# KiCad board EPS.kicad_pcb (continued)
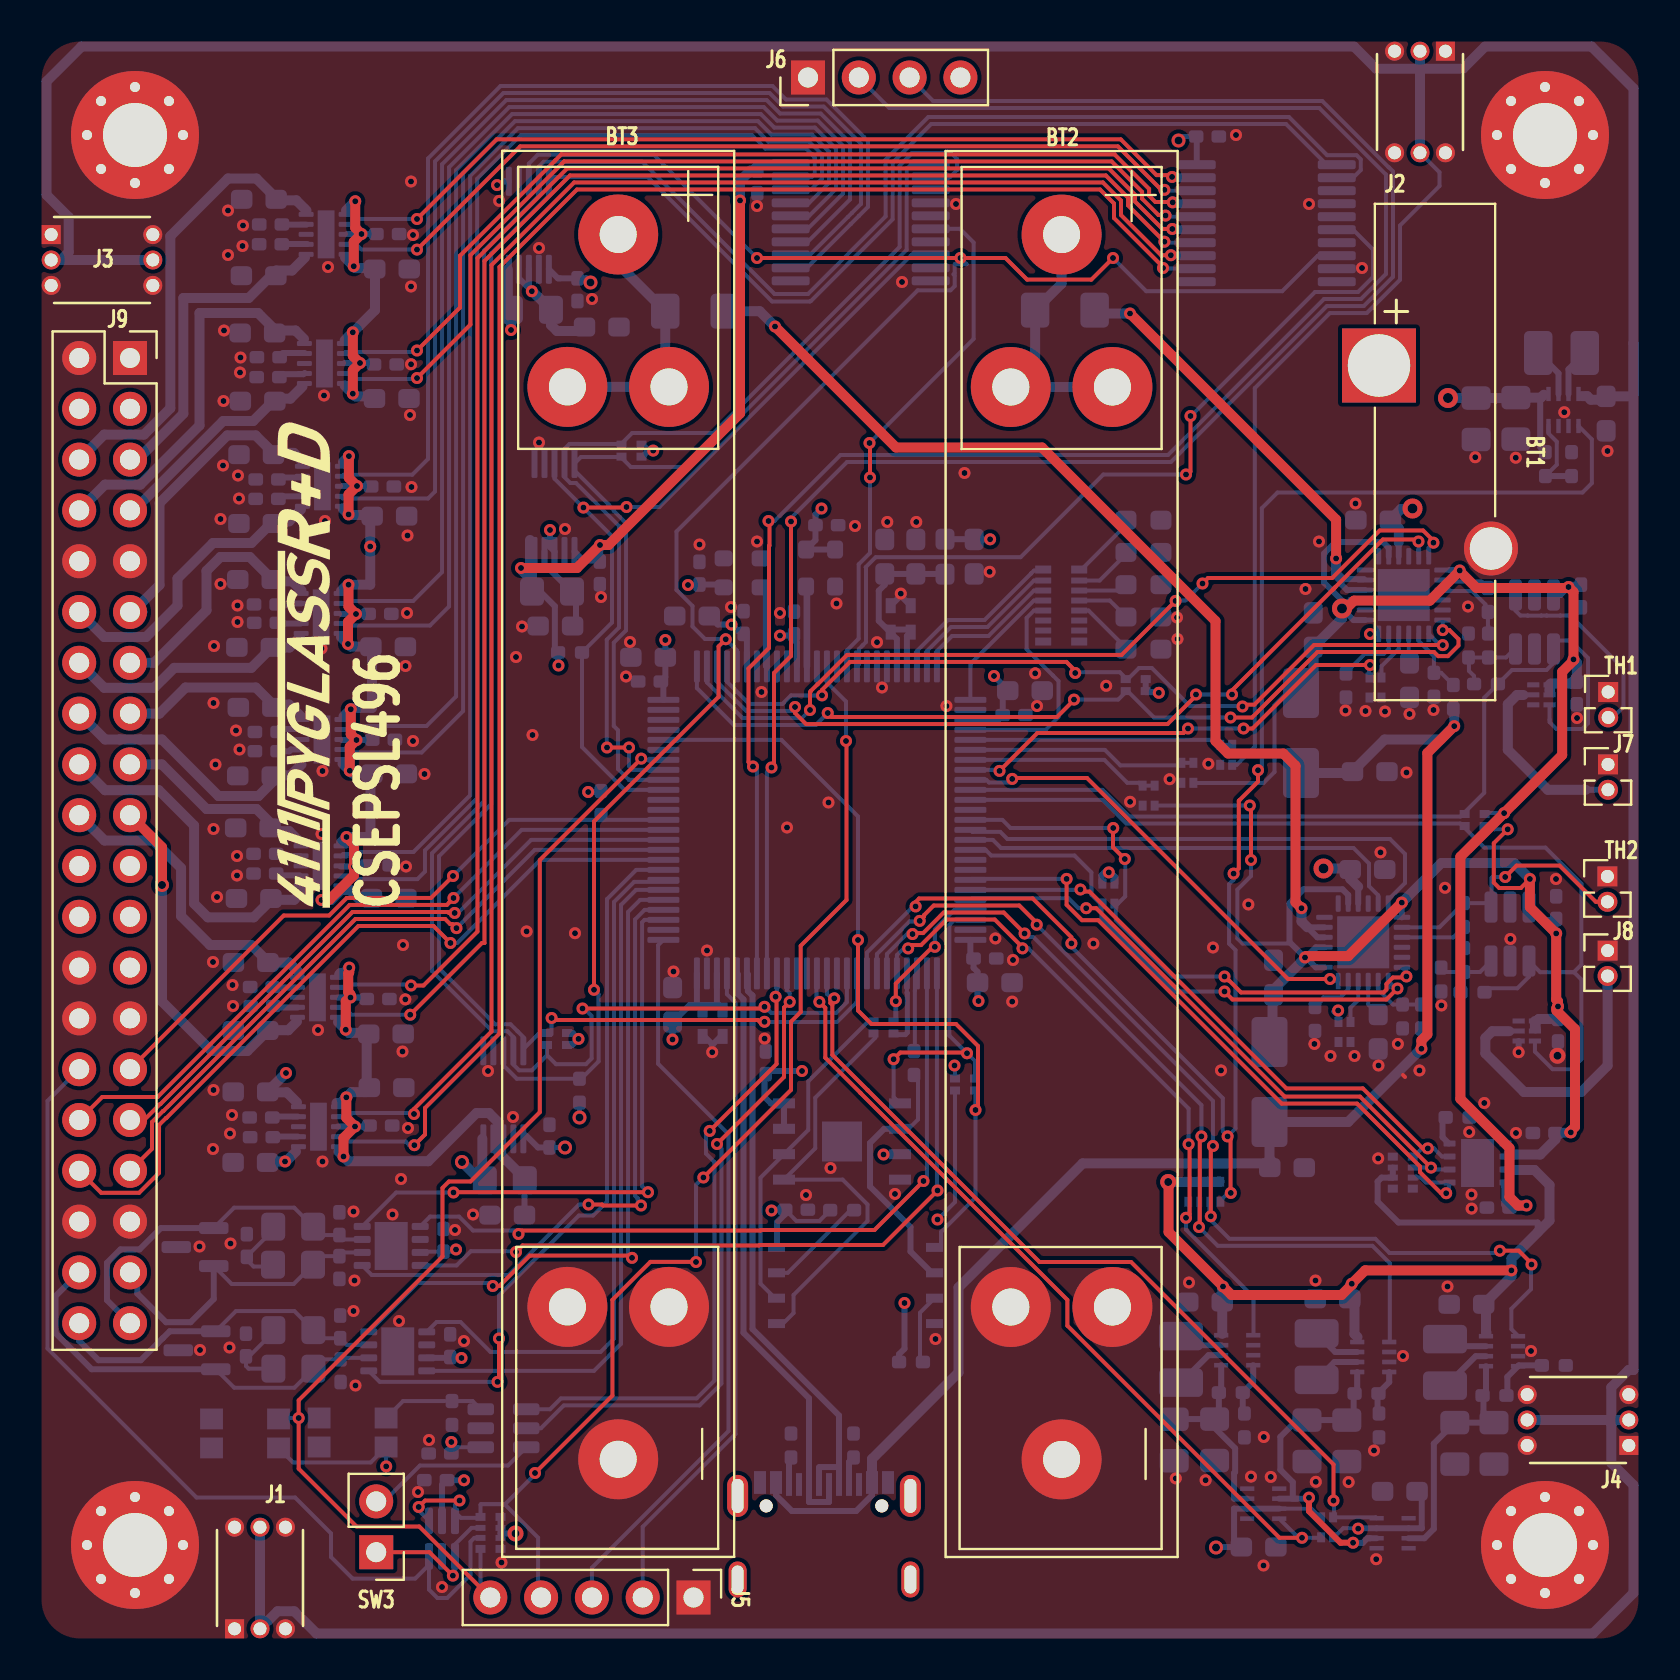
[diagram p0: board, top side]
## Nets (continued)
VBUS: C31.1 C42.1 C45.1 J9.3 J9.4 R33.1 RN5.5 RN5.6 RN5.7 RN5.8 RN16.6 RN16.7 U6.4 U9.4 U10.4 U17.7 U27.10
/*BC_1_CHRG: RN6.3 U4.1 U11.18
/*BC_2_CHRG: RN7.3 U4.38 U12.18
/*IDEAL_STATUS: RN16.3 U4.44 U17.1
/ADC_SOLAR_RAW: RN1.3 RN1.4 U4.30
/ADC_VOUT1: RN2.3 RN2.4 U4.31
/ADC_VOUT2: RN3.3 RN3.4 U4.32
/ATTENTION: J9.29 R2.2 U4.88
/AVI_EXTRN_RST: J9.32 U4.87
/BATT_1: C6.2 J9.5 U1.6
/BATT_2: C2.1 J9.6 U1.10
/BATT_3: C12.2 J9.7 U2.6
/BATT_4: C8.1 J9.8 U2.10
/BATTERY_1/NTC: R21.2 TH1.2 U11.14 U14.4
/BATTERY_1/VNTC: R19.1 R21.1 U11.15
/BATTERY_2/NTC: R25.2 TH2.2 U12.14 U16.4
/BATTERY_2/VNTC: R23.1 R25.1 U12.15
/BATTERY_CHARGER_1/CLPROG: RN14.2 U11.22
/BATTERY_CHARGER_2/CLPROG: RN15.2 U12.22
/BC_1_CLDIS: U11.10
/BC_1_ISTAT: RN14.1 U4.33 U11.24
/BC_1_POL: RN6.4 U4.4 U11.19
/BC_1_SHDN: U4.2 U11.12
/BC_1_SUSP: U4.3 U11.11
/BC_2_CLDIS: U12.10
/BC_2_ISTAT: RN15.1 U4.34 U12.24
/BC_2_POL: RN7.4 U4.41 U12.19
/BC_2_SHDN: U4.39 U12.12
/BC_2_SUSP: U4.40 U12.11
/Boost Buck Regulator 5V1/LX1: L1.2 U33.3
/Boost Buck Regulator 5V1/LX2: L1.1 U33.2
/Boost Buck Regulator 5V1/R-: R1.2 R39.1 U33.8
/BOOT: J5.5 RN8.1 SW1.1 U4.94
/CAN1_H: C36.1 D7.1 J9.40 R8.1 U8.7
/CAN1_L: C38.2 D7.2 J9.38 R9.2 U8.6
/CAN2_H: C32.1 D6.1 J9.39 R6.1 U7.7
/CAN2_L: C34.2 D6.2 J9.37 R7.2 U7.6
/COMM1_RST: J9.33 U4.85
/COMM2_RST: J9.34 U4.84
/EPS_EXTRN_RST: J9.30 RN8.2 U32.3
/HEATER1_ENABLED: R18.1 RN4.4 U4.35 U13.3 U14.1
/HEATER2_ENABLED: R22.1 RN4.3 U4.36 U15.3 U16.1
/I2C1_SCL: RN9.3 U4.92 U28.1 U29.5
/I2C1_SDA: RN9.4 U4.93 U28.2 U29.4
/I2C4_SCL: RN10.4 U4.59 U25.1 U26.5 U27.5
/I2C4_SDA: RN10.3 U4.60 U25.2 U26.4 U27.4
/I2C Power Switches 3VAUX/ENABLE_0: U18.2 U28.12
/I2C Power Switches 3VAUX/ENABLE_1: U18.4 U28.13
/I2C Power Switches 3VAUX/ENABLE_2: U19.2 U28.14
/I2C Power Switches 3VAUX/ENABLE_3: U19.4 U28.15
/I2C Power Switches 3VAUX/ENABLE_4: U20.2 U28.16
/I2C Power Switches 3VAUX/ENABLE_5: U20.4 U28.17
/I2C Power Switches 3VAUX/ENABLE_6: U21.2 U28.18
/I2C Power Switches 3VAUX/ENABLE_7: U21.4 U28.19
/I2C Power Switches 3VCORE/ENABLE0: U24.4 U25.12
/I2C Power Switches 3VCORE/ENABLE1: U24.2 U25.13
/I2C Power Switches 3VCORE/ENABLE2: U23.4 U25.14
/I2C Power Switches 3VCORE/ENABLE3: U23.2 U25.15
/I2C Power Switches 3VCORE/ENABLE4: U2.4 U25.16
/I2C Power Switches 3VCORE/ENABLE5: U2.2 U25.17
/I2C Power Switches 3VCORE/ENABLE6: U1.4 U25.18
/I2C Power Switches 3VCORE/ENABLE7: U1.2 U25.19
/IDEAL_DO0: RN16.2 U4.46 U17.2
/IDEAL_DO1: RN16.1 U4.45 U17.3
/INT_PS_3V3: R34.2 U4.91 U28.8 U29.3
/INT_PS_CORE_VBUS: R31.2 U4.5 U25.8 U26.3 U27.3
/NRST: J5.4 RN8.4 U4.14 U32.4 U32.6
/PMIC/CAN1_RX: U4.81 U8.4
/PMIC/CAN1_SHDN: U4.83 U8.5
/PMIC/CAN1_STBY: U4.80 U8.8
/PMIC/CAN1_TX: U4.82 U8.1
/PMIC/CAN2_RX: U4.51 U7.4
/PMIC/CAN2_SHDN: U4.79 U7.5
/PMIC/CAN2_STBY: U4.78 U7.8
/PMIC/CAN2_TX: U4.52 U7.1
/PMIC/GPIO_EXTI2: U4.37
/PMIC/GPIO_EXTI3: U4.18
/PMIC/GPIO_EXTI8: U4.65
/PMIC/GPIO_EXTI11: U4.42
/PMIC/GPIO_EXTI12: U4.43
/PMIC/GPIO_EXTI14: U4.61
/PMIC/HSE_CLK: U4.12 X2.3
/PMIC/LED_1: RN11.16 U4.23
/PMIC/LED_2: RN11.15 U4.24
/PMIC/LED_3: RN11.14 U4.25
/PMIC/LED_4: RN11.13 U4.26
/PMIC/LED_5: RN11.12 U4.29
/PMIC/RCC_OSC32_IN: U4.8 X1.3
/PMIC/SPI2_FLASH_CS: RN13.4 U4.96 U22.1
/PMIC/SPI2_MISO: R4.2 U4.53
/PMIC/SPI2_MOSI: RN12.2 U4.54
/PMIC/SPI2_MRAM_CS: RN13.3 U4.48 U5.1
/PMIC/SPI2_SCK: RN12.1 U4.47
/PMIC/SPI_MISO: R4.1 U5.2 U22.2
/PMIC/SPI_MOSI: RN12.3 U5.5 U22.5
/PMIC/SPI_SCK: RN12.4 U5.6 U22.6
/PMIC/SWD_SWCLK: J5.3 U4.76
/PMIC/SWD_SWDIO: J5.2 U4.72
/PMIC/USART1_RX: J6.2 U4.69
/PMIC/USART1_TX: J6.3 U4.68
/PMIC/VDAA: C20.1 C26.2 CN2.1 CN2.2 FB1.2 U4.21 U4.22
/Power Selector/Boost Buck Regulator 3V3/LX1: L2.2 U6.3
/Power Selector/Boost Buck Regulator 3V3/LX2: L2.1 U6.2
/Power Selector/Boost Buck Regulator 3V3/R+: C29.1 C30.1 R36.1 U6.1 U30.3
/Power Selector/Boost Buck Regulator 3V3/R-: R5.1 R36.2 U6.8
/Power Selector/Boost Buck Regulator 3V4/LX1: L4.2 U9.3
/Power Selector/Boost Buck Regulator 3V4/LX2: L4.1 U9.2
/Power Selector/Boost Buck Regulator 3V4/R+: C40.1 C41.1 R38.1 U9.1 U31.3
/Power Selector/Boost Buck Regulator 3V4/R-: R10.1 R38.2 U9.8
/Power Selector/Boost Buck Regulator 3V5/LX1: L3.2 U10.3
/Power Selector/Boost Buck Regulator 3V5/LX2: L3.1 U10.2
/Power Selector/Boost Buck Regulator 3V5/R+: C43.1 C44.1 R37.1 U10.1 U30.6 U31.6
/Power Selector/Boost Buck Regulator 3V5/R-: R11.1 R37.2 U10.8
/POWER_3V3_RST: U4.16 U28.6
/POWER_CORE_VBUS_RST: U4.17 U25.6
/PWR3AUX_EN: RN5.3 U4.56 U10.5
/PWR3CORE_EN: RN5.4 U4.55 U6.5
/PWR3MAIN_EN: RN5.2 U4.57 U9.5
/RST: RN8.3 SW3.1 U32.1
/SCI_EXTRN_RST: J9.31 U4.86
/SOLAR_EN: RN5.1 U4.58 U33.5
/STATUS_3V3: RN17.2 U4.62 U31.8
/STATUS_CORE: RN17.4 U4.63 U30.8
/USB_DN: J10.A7 J10.B7 U4.70
/USB_DP: J10.A6 J10.B6 U4.71
/VEXT: C46.1 C50.1 D8.2 D9.2 J10.A4_B9 J10.B4_A9 R12.2 R15.2
/VOUT1: C47.1 C54.1 C55.1 C58.2 D8.1 RN2.1 RN4.1 U11.1 U11.3 U11.8 U11.13 U13.1 U13.2 U14.6 U17.8
/VOUT2: C51.1 C56.1 C57.1 C59.2 D9.1 RN3.1 RN4.2 U12.1 U12.3 U12.8 U12.13 U15.1 U15.2 U16.6 U17.6
/VSOLAR_5V: C48.1 C52.1 C109.1 C110.1 R1.1 U11.9 U12.9 U33.1
/VSOLAR_RAW: C111.1 J1.3 J1.4 J2.3 J2.4 J3.3 J3.4 J4.3 J4.4 RN1.1 U33.4
/WATCHDOG_DONE: U3.4 U4.67
/WATCHDOG_WAKE: U3.5 U4.66
/~{BC_1_VEXT}: U11.17
/~{BC_2_VEXT}: U12.17
Net-(BT1-+): BT1.1 C23.1 C25.1 U4.6
Net-(BT2-+): BT2.1 F1.2
Net-(BT3-+): BT3.1 F2.2
Net-(C33-Pad1): C33.1 R6.2 R7.1
Net-(C37-Pad1): C37.1 R8.2 R9.1
Net-(D1-A): D1.2 RN11.1
Net-(D2-A): D2.2 RN11.2
Net-(D3-A): D3.2 RN11.3
Net-(D4-A): D4.2 RN11.4
Net-(D5-A): D5.2 RN11.5
Net-(J7-Pin_2): J7.2 U13.5
Net-(J8-Pin_2): J8.2 U15.5
Net-(J10-CC1_A): J10.A5 R29.1
Net-(J10-CC2_B): J10.B5 R30.2
Net-(U1-CT1): C1.1 U1.9
Net-(U1-CT2): C5.2 U1.7
Net-(U2-CT1): C7.1 U2.9
Net-(U2-CT2): C11.2 U2.7
Net-(U3-DELAY/M_RST): R3.1 SW2.1 U3.3
Net-(U3-~{RST}): SW3.2 U3.6
Net-(U11-PROG): R14.2 U11.23
Net-(U11-TIMER): C49.1 U11.21
Net-(U11-WALL): R12.1 R13.2 U11.20
Net-(U12-PROG): R17.2 U12.23
Net-(U12-TIMER): C53.1 U12.21
Net-(U12-WALL): R15.1 R16.2 U12.20
Net-(U14-+): R18.2 R19.2 R20.1 U14.3
Net-(U16-+): R22.2 R23.2 R24.1 U16.3
Net-(U17-ILIM): R26.1 U17.4
Net-(U18-CT1): C60.1 U18.9
Net-(U18-CT2): C64.2 U18.7
Net-(U19-CT1): C66.1 U19.9
Net-(U19-CT2): C70.2 U19.7
Net-(U20-CT1): C72.1 U20.9
Net-(U20-CT2): C76.2 U20.7
Net-(U21-CT1): C78.1 U21.9
Net-(U21-CT2): C82.2 U21.7
Net-(U22-HOLD#/IO3): R28.2 U22.7
Net-(U22-WP#/IO2): R27.2 U22.3
Net-(U23-CT1): C85.1 U23.9
Net-(U23-CT2): C89.2 U23.7
Net-(U24-CT1): C91.1 U24.9
Net-(U24-CT2): C95.2 U24.7

Pads without a net: J10 A8 B8 SH1 SH2 SH3 SH4; RN11 6 7 8 9 10 11; RN16 4 5; SW1 3 4; SW2 3 4; U4 7 9 13 15 64 77 89 90 95 97 98; U11 2 6 7; U12 2 6 7; U13 6; U14 5; U15 6; U16 5; U25 7 10 11; U28 7 10 11; X1 1

## Via types
v1: diameter 0.6, hole 0.3, Top to Bottom, 402 vias
v2: diameter 0.8, hole 0.4, Top to Bottom, 3 vias
v3: diameter 1, hole 0.5, Top to Bottom, 4 vias
v4: diameter 0.7, hole 0.4, Top to Bottom, 7 vias

## Routing (per net, layer and track width the routed paths; a pad name or vN(x,y) marks a point on that pad's centre or on a via; arc(x,y) is an arc through that point)
+3V3: length 117.7
  Top w0.5: v1(24.05,53.6) 26.85,53.6 v1(28,54.75) 28.42,54.75 35,61.33 v1(35,71.98)
  In2.Cu w0.5: v1(65.91,5.57) 65.91,5.6 69.53,9.22 69.53,19.38 69.55,19.38 62.4,26.53 55.05,26.53 41.75,39.83 36.97,39.83 30.47,46.33 28.33,46.33 v1(25.92,48.72)
  Bottom w0.2: v1(65.91,5.57) 65.89,5.59 65.16,5.59 64.7,5.13
  Bottom w0.3: 25.74,49.54 25.74,51.69 24.05,53.38 v1(24.05,53.6) 24.6,53.05 R35.1 ; R34.1 25.91,48.75 v1(25.92,48.72) ; v1(28,54.75) 28.02,54.73 28.02,53.98 27.17,53.98 U29.6 ; v1(65.91,5.57) 65.93,5.59 U31.7 U31.2 69.09,5.59 69.09,7.2 ; 35.53,73.48 C103.1 36.2,73.81 U28.20
  Bottom w0.5: v1(35,71.98) 35,72.95 35.53,73.48 ; 24.5,55 24.5,53.58 24.6,53.47 R35.1
+3V3_CORE: length 70
  Bottom w0.2: U30.7 63.57,6.57 64,6.13 ; U3.1 20.88,9.64 C19.1 20.57,9.55 20.47,9.65 ; 19.05,19.42 C35.1 20.69,19.42 v1(20.8,19.53) ; v1(17.31,8.68) 17.31,8.69 SW2.2 16.53,8.88 12.65,8.88 SW1.2
  Bottom w0.25: v4(26.25,24.62) 26.25,24.63 C99.1 ; R31.1 26.97,26.13 v4(26.97,26.12) ; C98.1 57.12,75.17 v4(56.92,74.97) ; R32.1 22.01,22.99
  Bottom w0.3: 53.07,37.82 53.07,38.23 53.22,38.38 v1(53.44,38.38) 53.53,38.38 53.77,38.14 53.77,37.82 ; 30.42,59.47 30.12,59.17 ; 30.42,59.47 30.12,59.77 ; 30.42,59.47 v1(30.66,59.47) ; v1(37,50.22) 37.59,50.22 ; 34.13,31.59 33.98,31.74 32.47,31.74 C22.2 31.63,30.03 v1(31.62,30.03) ; v1(31.27,50) 31.27,48.15 C21.2 ; 20.1,6.4 20.1,7.75 C108.2 ; v1(32.4,52.75) 32.95,52.75 ; v1(47.7,48.2) 48.14,47.76 C24.1 47.9,46 U4.28 ; v1(22.85,72.75) 23,72.75 23.18,72.94 U27.1 ; CN1.1 32.84,31.78 U4.75 ; CN1.2 33.84,31.78 U4.73 ; C19.1 v1(20.57,9.9) ; v1(27.41,42.4) 28,42.4 ; U4.50 46.52,34.23 ; C99.1 24.9,24.63 24.32,25.21 ; 37.65,50.07 37.84,49.88 U4.11 ; v1(47.5,55.03) 47.5,55.03 C16.1 ; RN10.2 26.62,29.75 v1(26.92,30.06) 26.63,30.35 RN10.1 ; U8.3 20.47,14.11 ; 23.03,6.1 23.03,5.32 v2(23.78,5.32) ; v1(46.92,31.95) 46.92,32.12 46.88,32.17 C14.1 46.88,33.41 46.68,33.61 C17.1 ; v1(21.08,14.1) 21.03,14.15 C39.1 ; C27.1 34.04,52.77 ; U30.7 U30.2 59.7,6.57 59.7,6.57 59.7,5.01 C106.1 58.82,4.65 v4(58.8,4.62) ; v1(39.08,56.58) 38.77,56.27 C97.1 38.77,54.99 X2.4 X2.1 ; FB1.1 46.7,55.04 ; 57.84,75.14 U25.20 ; U27.6 25.89,68.08 C100.1 27.32,68.08 v4(27.53,67.88) ; 55.28,48.09 55.28,47.39 55.91,47.39 v1(55.94,47.36) ; v1(21.2,7.99) 20.36,7.99 ; U4.100 31.17,47.8
  Bottom w0.5: 22.01,22.99 v4(21.1,23.9) ; 22.12,23.04 22.12,25.06
/3V3_1: length 15.9
  Bottom w0.5: 13.17,58.88 12.69,59.36 11.66,59.36 10.78,60.23 9.36,60.23 5.97,56.84 5.97,52.75 4.62,51.4 J9.11 5.12,51.4
/3V3_2: length 15
  Bottom w0.5: J9.12 3.21,50.15 5.3,50.15 6.88,51.72 6.88,53.08 8.65,54.85 10.57,54.85 11.66,55.94 12.46,55.94 13.05,56.53
/3V3_3: length 12.6
  Bottom w0.5: J9.13 5.7,48.86 8.33,51.48 8.33,53.46 9.02,54.15 10.49,54.15 11.7,52.94 12.61,52.94 13.08,52.47
/3V3_4: length 12.6
  Bottom w0.5: J9.14 3.21,47.61 5.71,47.61 6.71,48.61 10.57,48.61 11.59,49.62 12.47,49.62 13,50.15
/3V3_5: length 9.7
  Bottom w0.5: 13.05,46.17 12.46,46.77 11.65,46.77 10.79,47.62 7.28,47.62 5.97,46.32 J9.15
/3V3_6: length 13.5
  Bottom w0.5: 13.08,43.78 12.54,43.23 11.96,43.23 10.92,42.2 8.92,42.2 6.1,45.03 5.02,45.03 5.02,45.03 3.98,45.03 3.98,45.03 3.26,45.03 J9.16
/3V3_7: length 10.2
  Bottom w0.5: J9.17 6.09,43.78 8.33,41.55 10.83,41.55 11.93,40.44 12.45,40.44 13.05,39.85
/3V3_8: length 17.2
  Bottom w0.5: 13.12,37.42 12.71,37.01 11.56,37.01 10.69,36.13 8.39,36.13 7.7,36.82 7.7,40.73 5.94,42.49 3.25,42.49 J9.18
/3V3_9: length 18.4
  Top w0.5: J9.19 6.1,39.64 v4(6.1,37.75)
  Bottom w0.5: 12.85,30.92 12.42,30.49 11.41,30.49 10.37,29.45 8.58,29.45 6.1,31.92 v4(6.1,37.75)
/3V3_10: length 15.7
  Bottom w0.5: 12.97,33.35 12.45,33.88 11.44,33.88 10.56,34.75 8.5,34.75 7.05,36.2 7.05,38.6 5.67,39.97 3.23,39.97 J9.20
/3V3_EPS_FLASH: length 48.1
  In2.Cu w0.5: v1(36.58,21.47) 36.58,26.6 36.08,27.1 17.82,27.1 17.1,26.38 14.7,26.38 v1(12.25,23.92)
  Bottom w0.2: RN13.1 45.75,21.9 v1(44.88,21.03) ; C84.1 37.82,20.95 38.97,20.95 R28.1
  Bottom w0.3: 36.85,19.66 36.85,20.88 37.26,21.29 C84.1 36.62,21.52 v1(36.58,21.47) ; v1(43.22,16.85) 43.22,14.56 42.95,14.29 R27.1
  Bottom w0.5: 12.8,24.42 12.3,23.92 v1(12.25,23.92) 11.15,23.92
/3V3_EPS_MRAM: length 40.7
  In2.Cu w0.2: v1(45.72,28.72) 43.78,28.72 42.8,27.75
  In2.Cu w0.5: v1(38.1,28.45) 38.38,28.73 38.38,29.02 37.94,29.46 37.91,29.46 36.2,27.75 17.86,27.75 17.26,28.35 v1(12.3,28.35)
  Bottom w0.2: v1(45.72,28.72) 45.72,28.59 45.75,28.57 RN13.2
  Bottom w0.3: v1(38.1,28.45) 36.45,28.45 ; U5.3 42.19,24.29 v1(42.17,24.28) ; 36.22,28.22 36.22,27.15 36.55,26.83 U5.8 U5.7
  Bottom w0.5: 11.42,27.47 v1(12.3,28.35) ; 12.85,26.88 12.34,27.39 11.42,27.39
/BATTERY_1/VBAT: length 22
  Top w0.5: v1(64.81,54.08) 64.81,56.02 v1(54.5,66.33)
  Bottom w0.3: U11.4 65.35,52.5 65.05,52.8 65.05,53.04 66.2,53.04
  Bottom w0.5: v1(54.5,66.33) 52.9,66.33 ; v1(64.81,54.08) 64.8,54.07 64.8,53.3 65.05,53.04
/BATTERY_2/VBAT: length 51.7
  Top w0.5: v1(63.07,36.59) 62.78,36.89 62.78,43.72 62.17,44.33 59.4,44.33 58.78,44.95 58.78,50.95 50.1,59.62 42.8,59.62 v1(36.75,65.67)
  Bottom w0.3: U12.4 63.87,35.14 63.37,35.64 U12.5
  Bottom w0.5: v1(36.75,65.67) 35.98,66.44 F2.1 ; v1(63.07,36.59) 63.07,35.93 63.37,35.64
/I2C Power Switches 3VAUX/VBUS: length 57.8
  Top w0.5: v1(15.43,56.28) 15.43,57.28 v1(15.85,57.7) 15.44,58.11 v1(15.44,59.19) ; v1(15.33,40.15) 15.7,39.78 15.7,38.24 14.47,37.02 14.09,37.02 v1(14.08,37) ; v1(15.54,46.54) 15.54,45.29 v1(15.83,45) 15.49,44.66 v1(15.49,43.46) ; v1(15.4,49.8) 15.4,50.9 v1(15.8,51.3) 15.42,51.67 v1(15.42,52.77)
  In2.Cu w0.5: v1(16.51,54.67) 16.66,54.52 24.52,54.52 v1(25.5,55.5)
  Bottom w0.3: 16.31,57.7 v1(15.85,57.7) 15.13,57.7 ; 26.8,52.22 26.8,50.87 ; v1(25.5,55.5) 25.5,54.65 U29.8 25.72,53.29 R35.2 25.22,53.79 U29.9 ; 15.03,38.67 v1(15.7,38.67) 16.15,38.67 ; 15.06,51.3 v1(15.8,51.3) 16.14,51.3 ; 16.26,45 v1(15.83,45) 15.09,45
  Bottom w0.5: v1(15.44,59.19) 15.15,58.9 ; 15.05,52.45 15.36,52.77 v1(15.42,52.77) 16.51,52.77 v1(16.51,54.67) 16.51,56.15 ; 16.52,40.21 16.52,43.33 15.63,43.33 v1(15.49,43.46) 15.13,43.83 ; v1(14.08,37) 14.55,37 15.05,37.5 15.5,37.5 15.92,37.08 16.49,37.08 ; 15.05,50.15 v1(15.4,49.8) 15.53,49.67 16.51,49.67 ; 16.46,40.15 v1(15.33,40.15) 15.05,39.88 ; 16.6,49.58 16.6,47.45 16.6,47.45 16.6,46.61 15.61,46.61 v1(15.54,46.54) 15.18,46.17 ; 16.61,56.25 15.46,56.25 v1(15.43,56.28) 15.13,56.58
/I2C Power Switches 3VCORE/3V3_METERED: length 30.4
  Top w0.5: v1(15.32,27.13) 15.32,26.11 v1(15.75,25.67) 15.17,25.1 v1(15.17,24.17) ; v1(15.46,33.62) 15.46,33.38 15.41,33.33 15.41,32.39 15.53,32.28 v1(15.53,32.12) 15.47,32.12 15.29,31.94 v1(15.29,30.51)
  Bottom w0.3: 16.08,32.12 v1(15.53,32.12) 14.88,32.12 ; 14.88,25.67 v1(15.75,25.67) 16.5,25.67 ; C101.1 24.22,22.93
  Bottom w0.5: 14.83,26.85 15.03,26.85 v1(15.32,27.13) 15.58,27.39 16.33,27.39 ; 14.96,33.28 15.03,33.35 15.19,33.35 v1(15.46,33.62) ; 14.92,24.42 v1(15.17,24.17) 15.41,23.94 19.42,23.94 21.82,26.35 22.45,26.35 22.92,25.87 22.92,24.38 23.9,23.4 ; 14.9,30.9 v1(15.29,30.51) 15.44,30.36 16.33,30.36 16.33,27.41
/I2C Power Switches 3VCORE/VBUS_METERED: length 33
  Top w0.5: v1(15.64,65.38) 15.64,64.21 v1(16,63.85) 15.64,63.49 v1(15.64,62.32) ; v1(15.76,71.94) 15.76,70.61 v1(16.08,70.3) 15.69,69.91 v1(15.69,68.69)
  In2.Cu w0.5: v1(24.59,67.44) 24.59,67.89 23.79,68.69 v1(15.69,68.69)
  Bottom w0.3: 16.39,63.85 v1(16,63.85) 15.23,63.85 ; 15.36,70.3 v1(16.08,70.3) 16.52,70.3 ; U27.8 24.44,67.59 v1(24.59,67.44) 23.94,68.09
  Bottom w0.5: 16.83,68.59 15.78,68.59 v1(15.69,68.69) 15.25,69.12 ; 16.72,62.18 15.78,62.18 v1(15.64,62.32) 15.23,62.72 ; 16.75,68.51 16.75,66.49 15.72,65.46 15.72,65.46 v1(15.64,65.38) 15.23,64.98 ; 27.03,65.45 25.85,65.45 25.55,65.75 R33.2 24.62,67.44 v1(24.59,67.44) ; v1(15.76,71.94) 15.3,71.47
GND: length 5.6
  Top w0.2: 68.15,28.25 68.25,28.15
  Bottom w0.3: CN2.3 43.04,52.22 v1(43.04,52.32) 43.04,52.21 CN2.4 ; 33.22,30.18 33.61,29.79 v1(33.61,29.39) 33.61,29.75 34.04,30.18 ; v1(35.85,71.7) 35.87,71.72 C103.2 ; U15.4 73.93,29.39 v1(73.93,29.39) ; v1(28.05,52.15) 28.02,52.18 28.02,52.84
  vias: v1(7.97,19.67) v1(8,14.5) v1(8.7,49.7) v1(8.67,46.85) v1(8.67,40.55) v1(8.65,33.9) v1(8.67,27.5) v1(8.65,24.55) v1(8.78,43.78) v1(8.85,37.15) v1(9.03,56.05) v1(9.03,52.8) v1(9.2,65.47) v1(9.17,61.95) v1(9.15,58.72) v1(9.4,71.47) v1(9.4,69.25) v1(9.5,25.33) v1(9.53,19.83) v1(9.47,14.62) v1(9.62,32.75) v1(9.6,26.25) v1(9.65,31.7) v1(9.8,45.47) v1(9.85,39.2) v1(9.85,38.22) v1(9.9,58.22) v1(9.88,51.72) v1(9.88,50.9) v1(10.03,64.12) v1(10,63.38) v1(9.95,57.08) v1(9.97,44.53) v1(10.12,69.7) v1(10.15,70.72) v1(13.9,30.5) v1(14.08,49.58) v1(14.12,43.45) v1(14.08,40.3) v1(14.12,23.92) v1(14.2,62.22) v1(14.25,55.95) v1(14.4,68.65) v1(15.67,21.42) v1(15.72,17.97) v1(15.67,16.45) v1(15.78,12.72) v1(17.62,21.28) v1(18.05,23.05) v1(17.95,15.95) v1(18.12,29.42) v1(18.15,34.75) v1(18.35,51.35) v1(18.28,48.7) v1(18.3,38.67) v1(18.27,32.03) v1(18.38,55.22) v1(18.4,25.6) v1(18.55,72.92) v1(18.55,67.67) v1(18.5,61.25) v1(18.55,63.79) v1(18.58,57.65) v1(18.65,70.25) v1(18.65,44.95) v1(18.9,7.4) v1(19.22,43.3) v1(19.45,10) v1(20.1,2.65) v1(20.75,20.5) v1(21.2,14.95) v1(21.65,21.28) v1(22.4,28.45) v1(22.96,71.96) v1(23.08,3.88) v1(23.65,26.15) v1(23.8,49.15) v1(24.1,50.67) v1(24.33,35.43) v1(24.62,45.25) v1(24.95,69.6) v1(24.95,59.88) v1(26.25,55.55) v1(26.75,35.34) v1(27.6,67.05) v1(29.3,48.17) v1(29.5,49.9) v1(31.67,33.42) v1(32.97,54.78) v1(33.35,34.47) v1(34.55,51.65) v1(35.85,54.92) v1(36.08,47.4) v1(36.23,30.07) v1(37,51.35) v1(37.35,40.62) v1(38.3,22.25) v1(39.42,41.88) v1(39.53,23.6) v1(39.83,51.83) v1(40.75,55.7) v1(41.85,49.89) v1(42.1,47.62) v1(42.36,55.9) v1(42.75,22.3) v1(43.1,67.9) v1(43.81,55.9) v1(44.78,15.05) v1(45.32,46.7) v1(45.8,71.8) v1(46.22,58.35) v1(47.48,53.41) v1(47.77,35.08) v1(48.61,31.92) v1(48.65,34) v1(49.76,48.33) v1(49.85,46.7) v1(52.67,34.82) v1(53.31,47.71) v1(54.5,41.91) v1(56.48,43.04) v1(56.85,51.12) v1(56.79,8.08) v1(56.88,50.05) v1(57.45,17.88) v1(58.28,7.99) v1(58.42,43.81) v1(58.65,34.62) v1(59.05,28.48) v1(59.8,75.25) v1(60.42,36.78) v1(60.55,8.17) v1(61.19,10.15) v1(61.17,3.72) v1(61.54,8.15) v1(63.28,52.55) v1(63.45,71.8) v1(63.72,29.8) v1(63.78,17.97) v1(63.79,7.91) v1(63.95,54.92) v1(64.53,29.2) v1(65.28,46.47) v1(65.43,7.9) v1(65.72,29.2) v1(65.78,56.83) v1(66.1,68.6) v1(66.28,46.45) v1(66.7,9.47) v1(66.81,4.04) v1(66.92,28.72) v1(66.91,24.08) v1(67.03,39.38) v1(67.25,46.42) v1(67.89,29.8) v1(68.15,14.2) v1(68.32,43.38) v1(68.47,46.3) v1(68.97,28.48) v1(69.68,46.5) v1(70.07,31.73) v1(70.25,37.61) v1(70.38,17.67) v1(71.4,51.67) v1(71.46,25.4) v1(71.57,22.28) v1(71.58,21.57) v1(71.76,59.14) v1(72.21,26.85) v1(73.52,35.05) v1(73.79,59.11) v1(73.8,25.35) v1(74.55,14.45) v1(75.8,38.05) v1(76.21,61.39) v1(76.85,46.1) v1(78.38,59.45) v2(75.87,29.21)
VBUS: length 218.1
  Top w0.5: v1(73.57,18.48) 66.25,18.48 v1(65.59,17.81) 65.59,17.76 65.08,17.25 59.58,17.25 v1(59.15,17.67) 56.43,20.39 56.43,22.88 v2(56.41,22.9)
  In2.Cu w0.5: v1(59.15,17.67) 62.4,14.42 62.4,3.53 59.2,0.33 13.82,0.33 12.71,1.44 8.85,1.44 7.74,0.33 2.47,0.33 0.71,2.09 0.71,60.31 J9.4 6.28,61.56 10.87,66.15 22.9,66.15 v1(23.55,65.5)
  Bottom w0.3: 74.89,20.39 74.89,20.88 67.92,20.88 66.88,21.92 66.88,22.92 67.08,23.12 RN16.6 RN16.7
  Bottom w0.5: 59.11,15.31 C31.1 59.11,17.64 v1(59.15,17.67) ; v1(23.55,65.5) 23.55,65.5 R33.1 ; 58.97,22.92 58.95,22.91 57.83,22.91 57.83,22.9 v2(56.41,22.9) ; v1(65.59,17.81) 65.49,17.72 65.49,17 65.72,16.77 65.72,15.3 65.88,15.15 ; 23.39,66.67 23.39,68.53 ; 72.3,16.67 72.3,15.4 72.32,15.38 ; C42.1 73.57,18.17 v1(73.57,18.48) 73.57,19.07 75.47,20.97 75.47,22.75 74.72,23.5 73.65,23.5
/*BC_1_CHRG: length 44.8
  Top w0.2: v1(59.53,46.12) 60.6,46.12 63.87,49.4 69.7,49.4 69.91,49.19 70.39,49.19 70.93,49.72 70.93,50.04 70.47,50.49 v1(70.14,50.49) ; v1(39.39,46.35) 39.59,46.15 50.85,46.15 51.7,47 v1(51.7,47.02)
  Bottom w0.2: v1(59.53,46.12) 55.7,46.12 54.36,47.47 53.91,47.02 v1(51.7,47.02) ; v1(39.39,46.35) 38.79,45.75 34.69,45.75 32.84,47.6 U4.1 ; v1(70.14,50.49) 70.14,50.98
/*BC_2_CHRG: length 29.7
  Top w0.2: v1(54.24,39.05) 53.65,39.64 53.65,40.59 v1(53.66,40.6) ; v1(68.32,33.18) 68.19,33.04 68.1,33.13 67.64,33.13 67.32,32.8 67.32,32.52 67.18,32.38 60.05,32.38 59.45,32.98 59.42,32.98 v1(59.22,33.17)
  Bottom w0.2: v1(59.22,33.17) 56.61,33.17 53.79,36 53.79,36.72 53.89,36.82 53.77,36.82 53.9,36.82 54.26,37.18 54.26,39.03 v1(54.24,39.05) ; 46.55,41 48.12,41 48.53,40.6 v1(53.66,40.6) ; v1(68.32,33.18) 68.32,33.41 U12.18
/*IDEAL_STATUS: length 33.7
  Top w0.2: v1(70.31,22.34) 70.05,22.34 69,23.39 69,23.67 65.85,26.82 62.08,26.82 52.91,35.99 52.1,35.99 51.33,36.76 v1(51.33,38.06)
  Bottom w0.2: v1(70.31,22.34) 70.44,22.47 70.44,22.88 69.28,22.88 69.03,23.12 68.65,23.12 ; v1(51.33,38.06) 46.57,38.06
  Bottom w0.3: v1(70.31,22.34) 70.31,22.34
/ADC_SOLAR_RAW: length 13.4
  Bottom w0.2: 59.66,44.76 58.96,44.76 58.96,44.95 58.9,45 U4.30
/ADC_VOUT1: length 11.6
  Bottom w0.2: 57.72,43.86 57.02,43.86 56.89,43.73 54.02,43.73 53.25,44.5 U4.31
/ADC_VOUT2: length 9.8
  Bottom w0.2: U4.32 53.22,44 54.36,42.86 54.94,42.86 55.08,42.72 55.78,42.72
/ATTENTION: length 31.8
  Top w0.2: J9.29 12.19,36.22 14.46,36.22 15.34,37.1 19.55,37.1 v1(20.65,38.2)
  Bottom w0.2: v1(20.65,38.2) 23.45,41 U4.88
/AVI_EXTRN_RST: length 35.2
  Top w0.2: v1(20.67,37.1) 20.47,36.9 20.47,36.89 20.34,36.75 15.48,36.75 5.88,27.15 3.11,27.15 J9.32
  Bottom w0.2: U4.87 24.08,40.5 v1(20.67,37.1)
/BATT_1: length 16
  Bottom w0.5: 13.25,69.12 12.6,68.47 11.81,68.47 10.44,67.1 7.17,67.1 7.17,61.32 4.87,59.02
/BATT_2: length 22.9
  Bottom w0.5: J9.6 3.21,60.27 5.2,60.27 6.52,61.59 6.52,70.19 9.4,73.08 10.82,73.08 11.91,71.98 12.81,71.98 13.33,71.47
/BATT_3: length 11
  Bottom w0.5: 13.12,62.67 12.52,62.06 11.78,62.06 10.66,60.95 9.16,60.95 4.69,56.48
/BATT_4: length 19.2
  Bottom w0.5: 13.2,65.05 12.78,65.47 11.78,65.47 10.9,66.35 7.98,66.35 7.98,60.73 5.02,57.77 3.25,57.77 J9.8
/BATTERY_1/NTC: length 13.7
  Bottom w0.2: 78.64,46.13 79.17,46.66 79.17,48.56 76.51,51.22 76.02,51.22 76.01,51.22 75.34,51.22 75.33,51.22 75.07,51.22 75.06,51.22 74.39,51.22 74.38,51.22 74.02,51.22 73.78,51.47 U14.4 ; R21.2 72.07,52.92 70.2,52.92 70.13,53 ; 72.42,52.58 73.62,52.58
/BATTERY_1/VNTC: length 3.8
  Bottom w0.2: U11.15 70.17,52.45 71.6,52.45 72.27,51.78 72.27,51.53 ; 72.4,51.4 72.4,50.72 72.42,50.7 R19.1
/BATTERY_2/NTC: length 13
  Top w0.2: v1(73.26,38.15) 73.83,38.72 75.98,38.72 77.79,36.91 TH2.2
  Bottom w0.2: v1(73.26,38.15) 72.63,38.15 72.57,38.1 72.57,36.67 ; 72.35,36.84 R25.2 69.97,35.64 U12.14
/BATTERY_2/VNTC: length 4.3
  Bottom w0.2: U12.15 70.66,35.14 R25.1 71.18,34.61
/BATTERY_CHARGER_1/CLPROG: length 2.5
  Bottom w0.2: U11.22 67.94,49.55 67.08,48.69 RN14.2
/BATTERY_CHARGER_2/CLPROG: length 2.2
  Bottom w0.2: U12.22 65.91,32 65.53,31.62 RN15.2
/BC_1_ISTAT: length 24.8
  Top w0.2: v1(57.4,45.58) 57.17,45.35 49.87,45.35 v1(47.97,43.45) ; v1(60.18,45.58) 60.62,45.58 63.8,48.75 v1(66.5,48.75)
  In2.Cu w0.2: v1(66.5,48.75) v1(66.5,50.3)
  Bottom w0.2: v1(66.5,48.75) 66.45,48.7 66.45,48.15 ; v1(47.97,43.45) 47.92,43.5 U4.33 ; v1(60.18,45.58) v1(57.4,45.58) ; v1(66.5,50.3) 66.51,50.31 U11.24
/BC_1_POL: length 41.7
  Top w0.2: v1(70.14,49.74) 70.13,49.75 63.7,49.75 60.72,46.77 60.22,46.77 v1(60.12,46.67) ; v1(39.1,47.23) 39.1,47.5 40.5,48.9 51.32,48.9 51.76,48.47 v1(51.76,48.35)
  Bottom w0.2: U11.19 70,49.74 v1(70.14,49.74) ; v1(60.12,46.67) 60.1,46.7 57.49,46.7 55.59,48.6 54.95,48.6 54.44,48.09 54.28,48.09 53.99,48.39 51.8,48.39 v1(51.76,48.35) ; U4.4 34.34,47.92 35.46,46.8 37.12,46.8 37.55,47.23 v1(39.1,47.23)
/BC_1_SHDN: length 43.4
  Top w0.2: v1(69.67,54.87) 69.67,54.96 69.15,55.48 66.99,55.48 64.61,53.1 58.4,53.1 v1(58.12,52.83) ; v1(56.78,51.96) 54.08,49.25 40.35,49.25 38.88,47.78 38.87,47.78 38.55,47.46 38.55,47.45 38.5,47.4 v1(38.5,46.5)
  Bottom w0.2: v1(69.67,54.87) 69.44,54.63 U11.12 ; v1(38.5,46.5) 38.1,46.1 35.12,46.1 33.34,47.88 U4.2 ; v1(56.78,51.96) 56.8,51.97 57.28,51.97 v1(58.12,52.83)
/BC_1_SUSP: length 42.2
  Top w0.2: v1(68.93,54.92) 68.82,55.03 67.15,55.03 64.64,52.52 64.76,52.64 61.05,48.93 ; v1(37.75,46.65) 37.75,46.35 38.3,45.8 56.38,45.8 57.8,47.22 v1(57.8,47.28) ; 61.05,48.93 59.6,47.47 v1(59.6,47.28)
  Bottom w0.2: U4.3 33.84,47.92 35.31,46.45 37.55,46.45 37.75,46.65 v1(37.75,46.65) ; U11.11 68.94,54.73 68.93,54.74 v1(68.93,54.92) ; v1(59.6,47.28) v1(57.8,47.28)
/BC_2_ISTAT: length 25.5
  Top w0.2: v1(48.61,43.06) 48.65,43.1 52.35,43.1 62.4,33.05 v1(64.5,33.05)
  In2.Cu w0.2: v1(64.5,33.05) 64.5,32.85 64.56,32.8 64.56,31.63 64.57,31.62 64.76,31.62 v1(64.91,31.47)
  Bottom w0.2: RN15.1 64.92,31.15 64.67,31.4 64.67,31.42 64.72,31.47 v1(64.91,31.47) ; v1(48.61,43.06) 48.43,42.88 47.45,42.88 47.32,43 U4.34 ; v1(64.5,33.05) 64.6,32.95 U12.24
/BC_2_POL: length 26.3
  Top w0.2: v1(59.22,32.42) 59.62,32.03 67.32,32.03 v1(67.87,32.58)
  Bottom w0.2: v1(59.22,32.42) 56.75,32.42 53.07,36.1 53.07,36.82 ; U12.19 67.78,32.58 v1(67.87,32.58) ; 53.01,36.82 52.57,37.26 52.57,38.38 51.72,39.22 47.56,39.22 47.28,39.5 U4.41
/BC_2_SHDN: length 24.9
  Bottom w0.2: U4.39 46.62,40.41 48.01,40.41 48.37,40.05 67.5,40.05 68.25,39.3 68.25,37.85 67.41,37.01
/BC_2_SUSP: length 22.6
  Bottom w0.2: U4.40 47.64,40 48.05,39.6 65.67,39.6 66.45,38.83 66.45,37.69 66.91,37.23 U12.11
/Boost Buck Regulator 5V1/LX1: length 2.4
  Bottom w0.3: L1.2 76.42,63.54 U33.3
/Boost Buck Regulator 5V1/LX2: length 2.5
  Bottom w0.3: L1.1 75.92,63.34 U33.2
/Boost Buck Regulator 5V1/R-: length 4.2
  Bottom w0.2: U33.8 75.42,60.33 75.84,59.91 75.84,58.77 R1.2
  Bottom w0.3: R1.2 R39.1
/BOOT: length 59.5
  Top w0.2: J5.5 18.97,5.68 15.83,5.68 12.93,8.57 v1(12.93,11.1) 12.93,11.98 20.12,19.17 20.12,22.6 20.45,22.93 21.53,22.93 24.99,26.39 24.99,39 v1(30.06,44.07)
  Bottom w0.2: U4.94 30.13,44 v1(30.06,44.07) ; v1(12.93,11.1) 11.97,11.1 ; 22.03,4.56 22.03,2.62
/CAN1_H: length 16.9
  Bottom w0.2: R8.1 12.72,16.45 9.8,16.45 D7.1 ; U8.7 15.34,14.76 C36.1 14.08,15.09
  Bottom w0.3: J9.40 1.96,14.96 2.93,13.99 5.04,13.99 5.87,14.82 5.87,14.83 6.13,15.09 6.14,15.09 6.49,15.44 D7.1